# Altium PCB PCB.PcbDoc (part 1 of 3)
Units mil, origin at the board's own origin, x right, y up, seen from the top; angles counter-clockwise.
Board outline 5118.11 x 3622.05 mil, 2 copper layers (Top Layer, Bottom Layer), stack 61.811 mil thick; 308 components, 151 nets, 766 pads, 1310 vias.
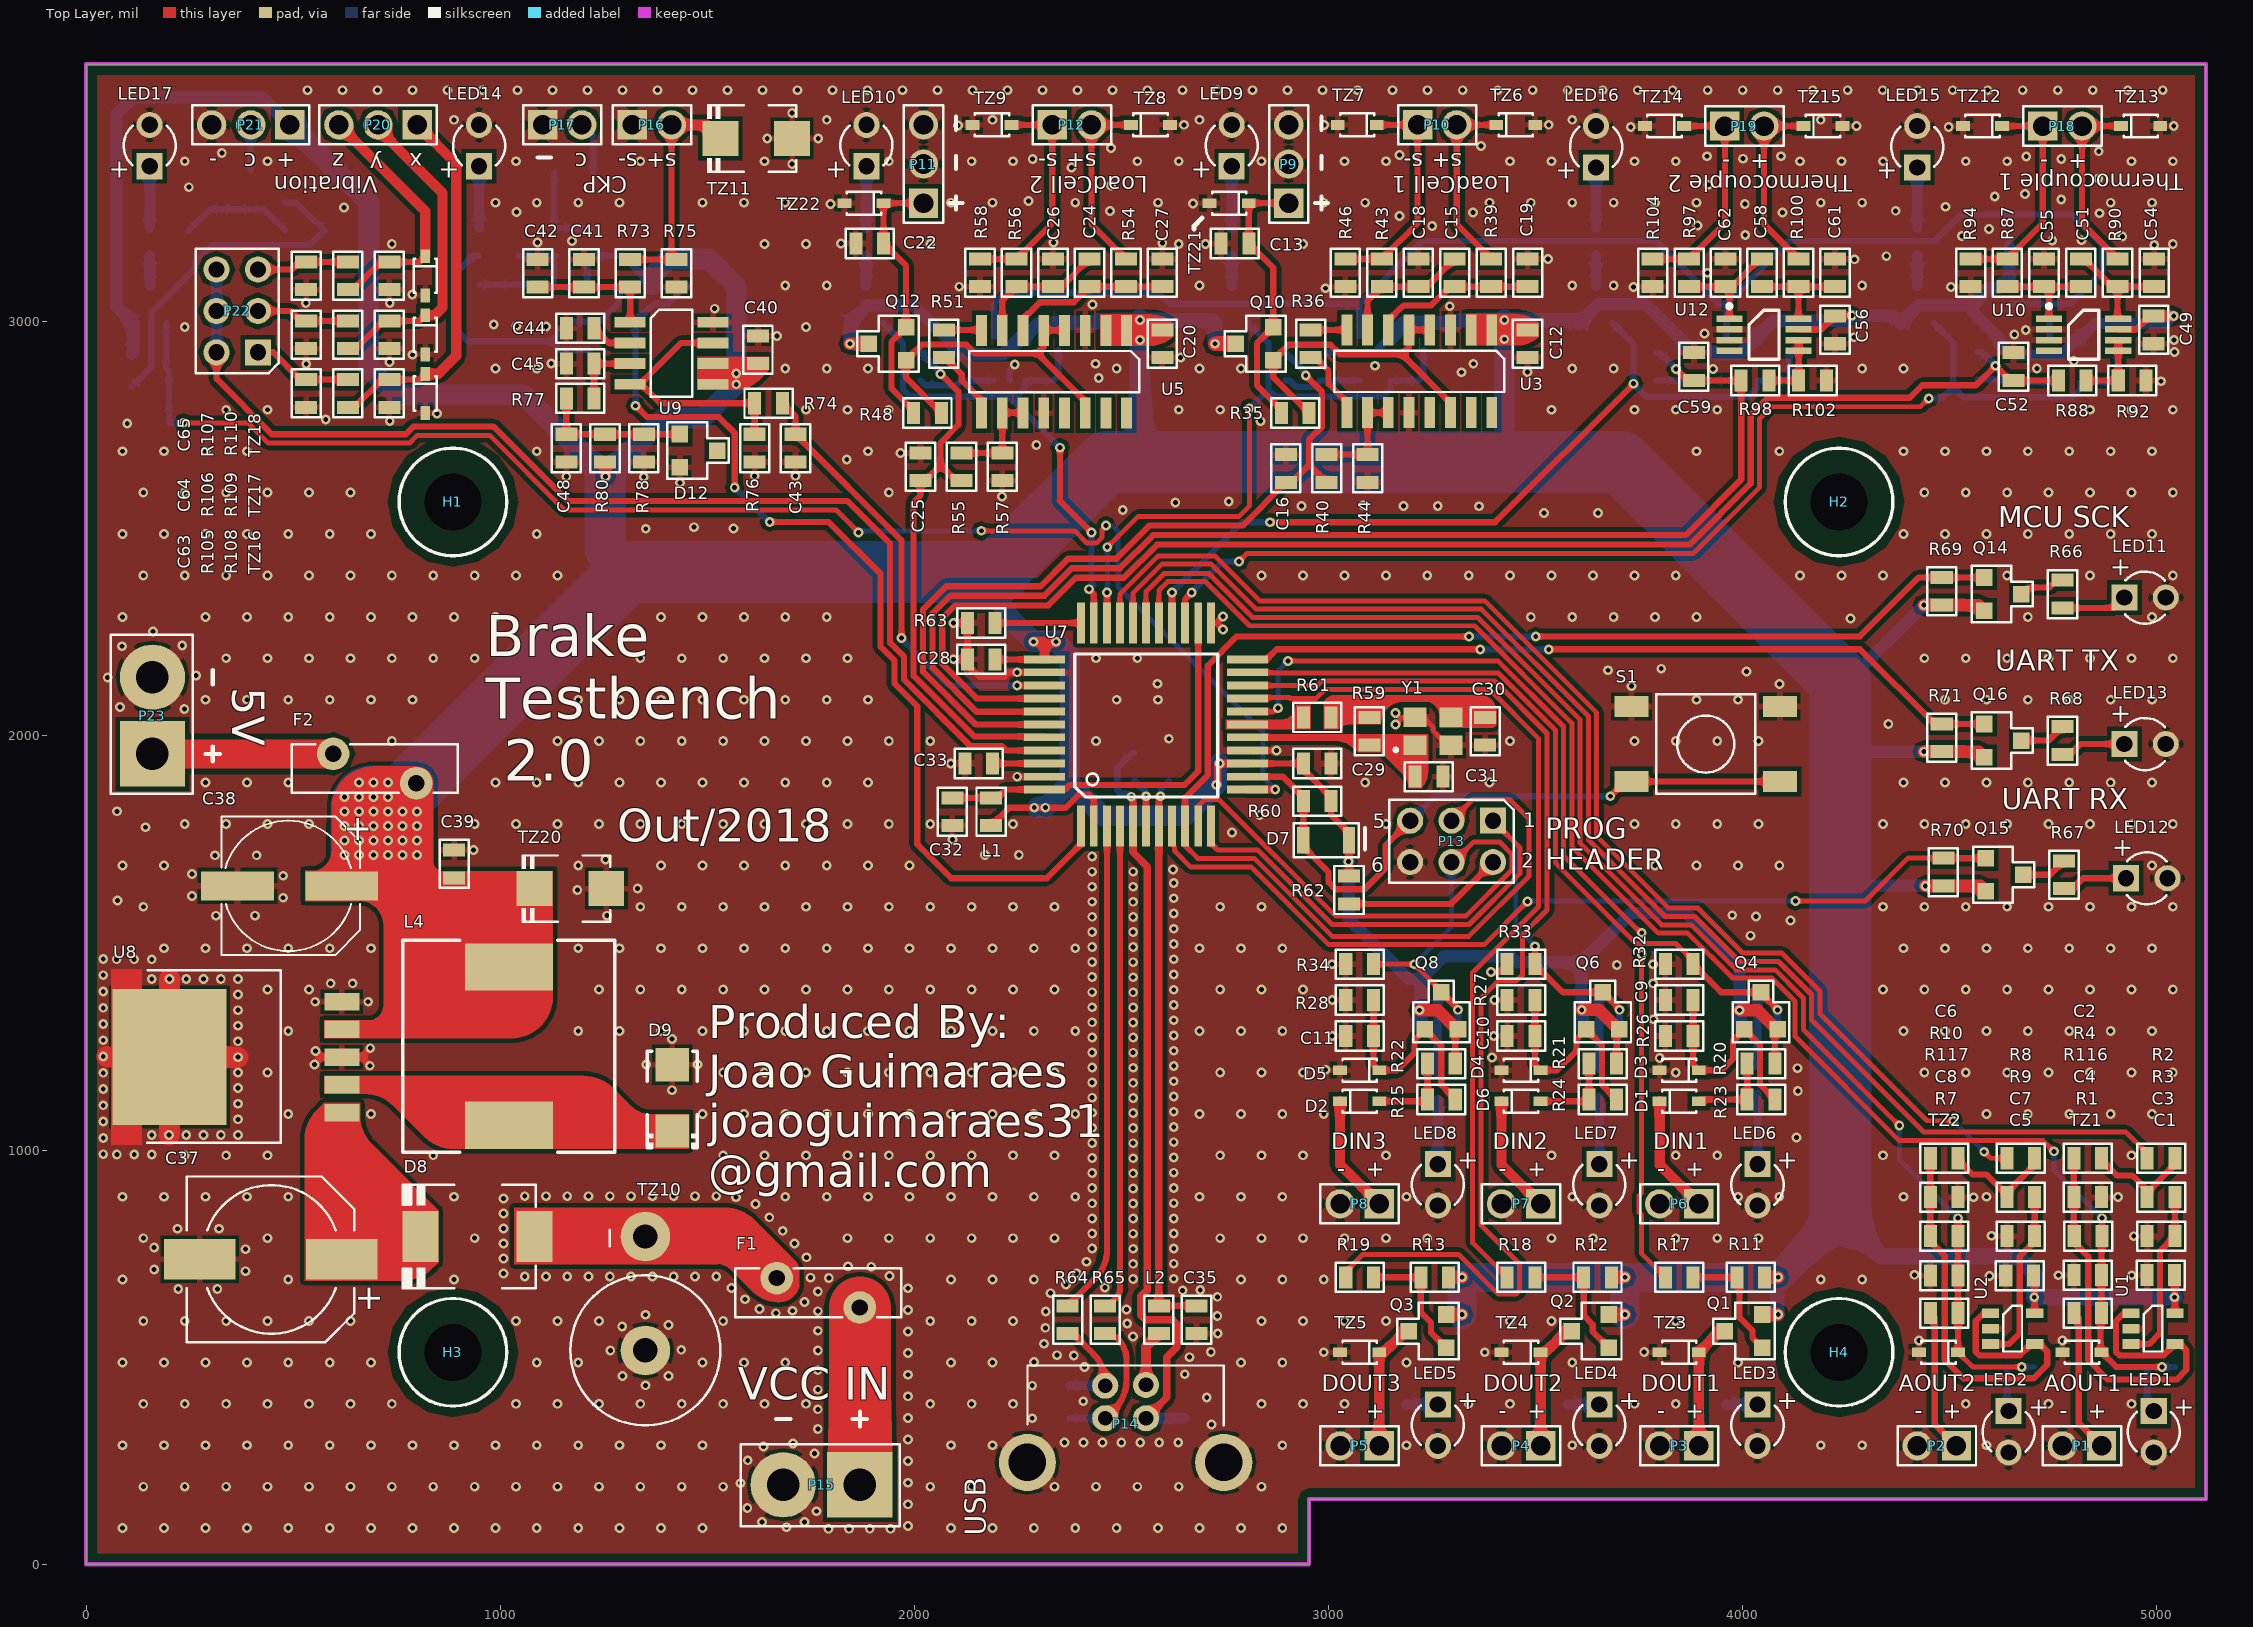
[diagram p0: Top Layer view]
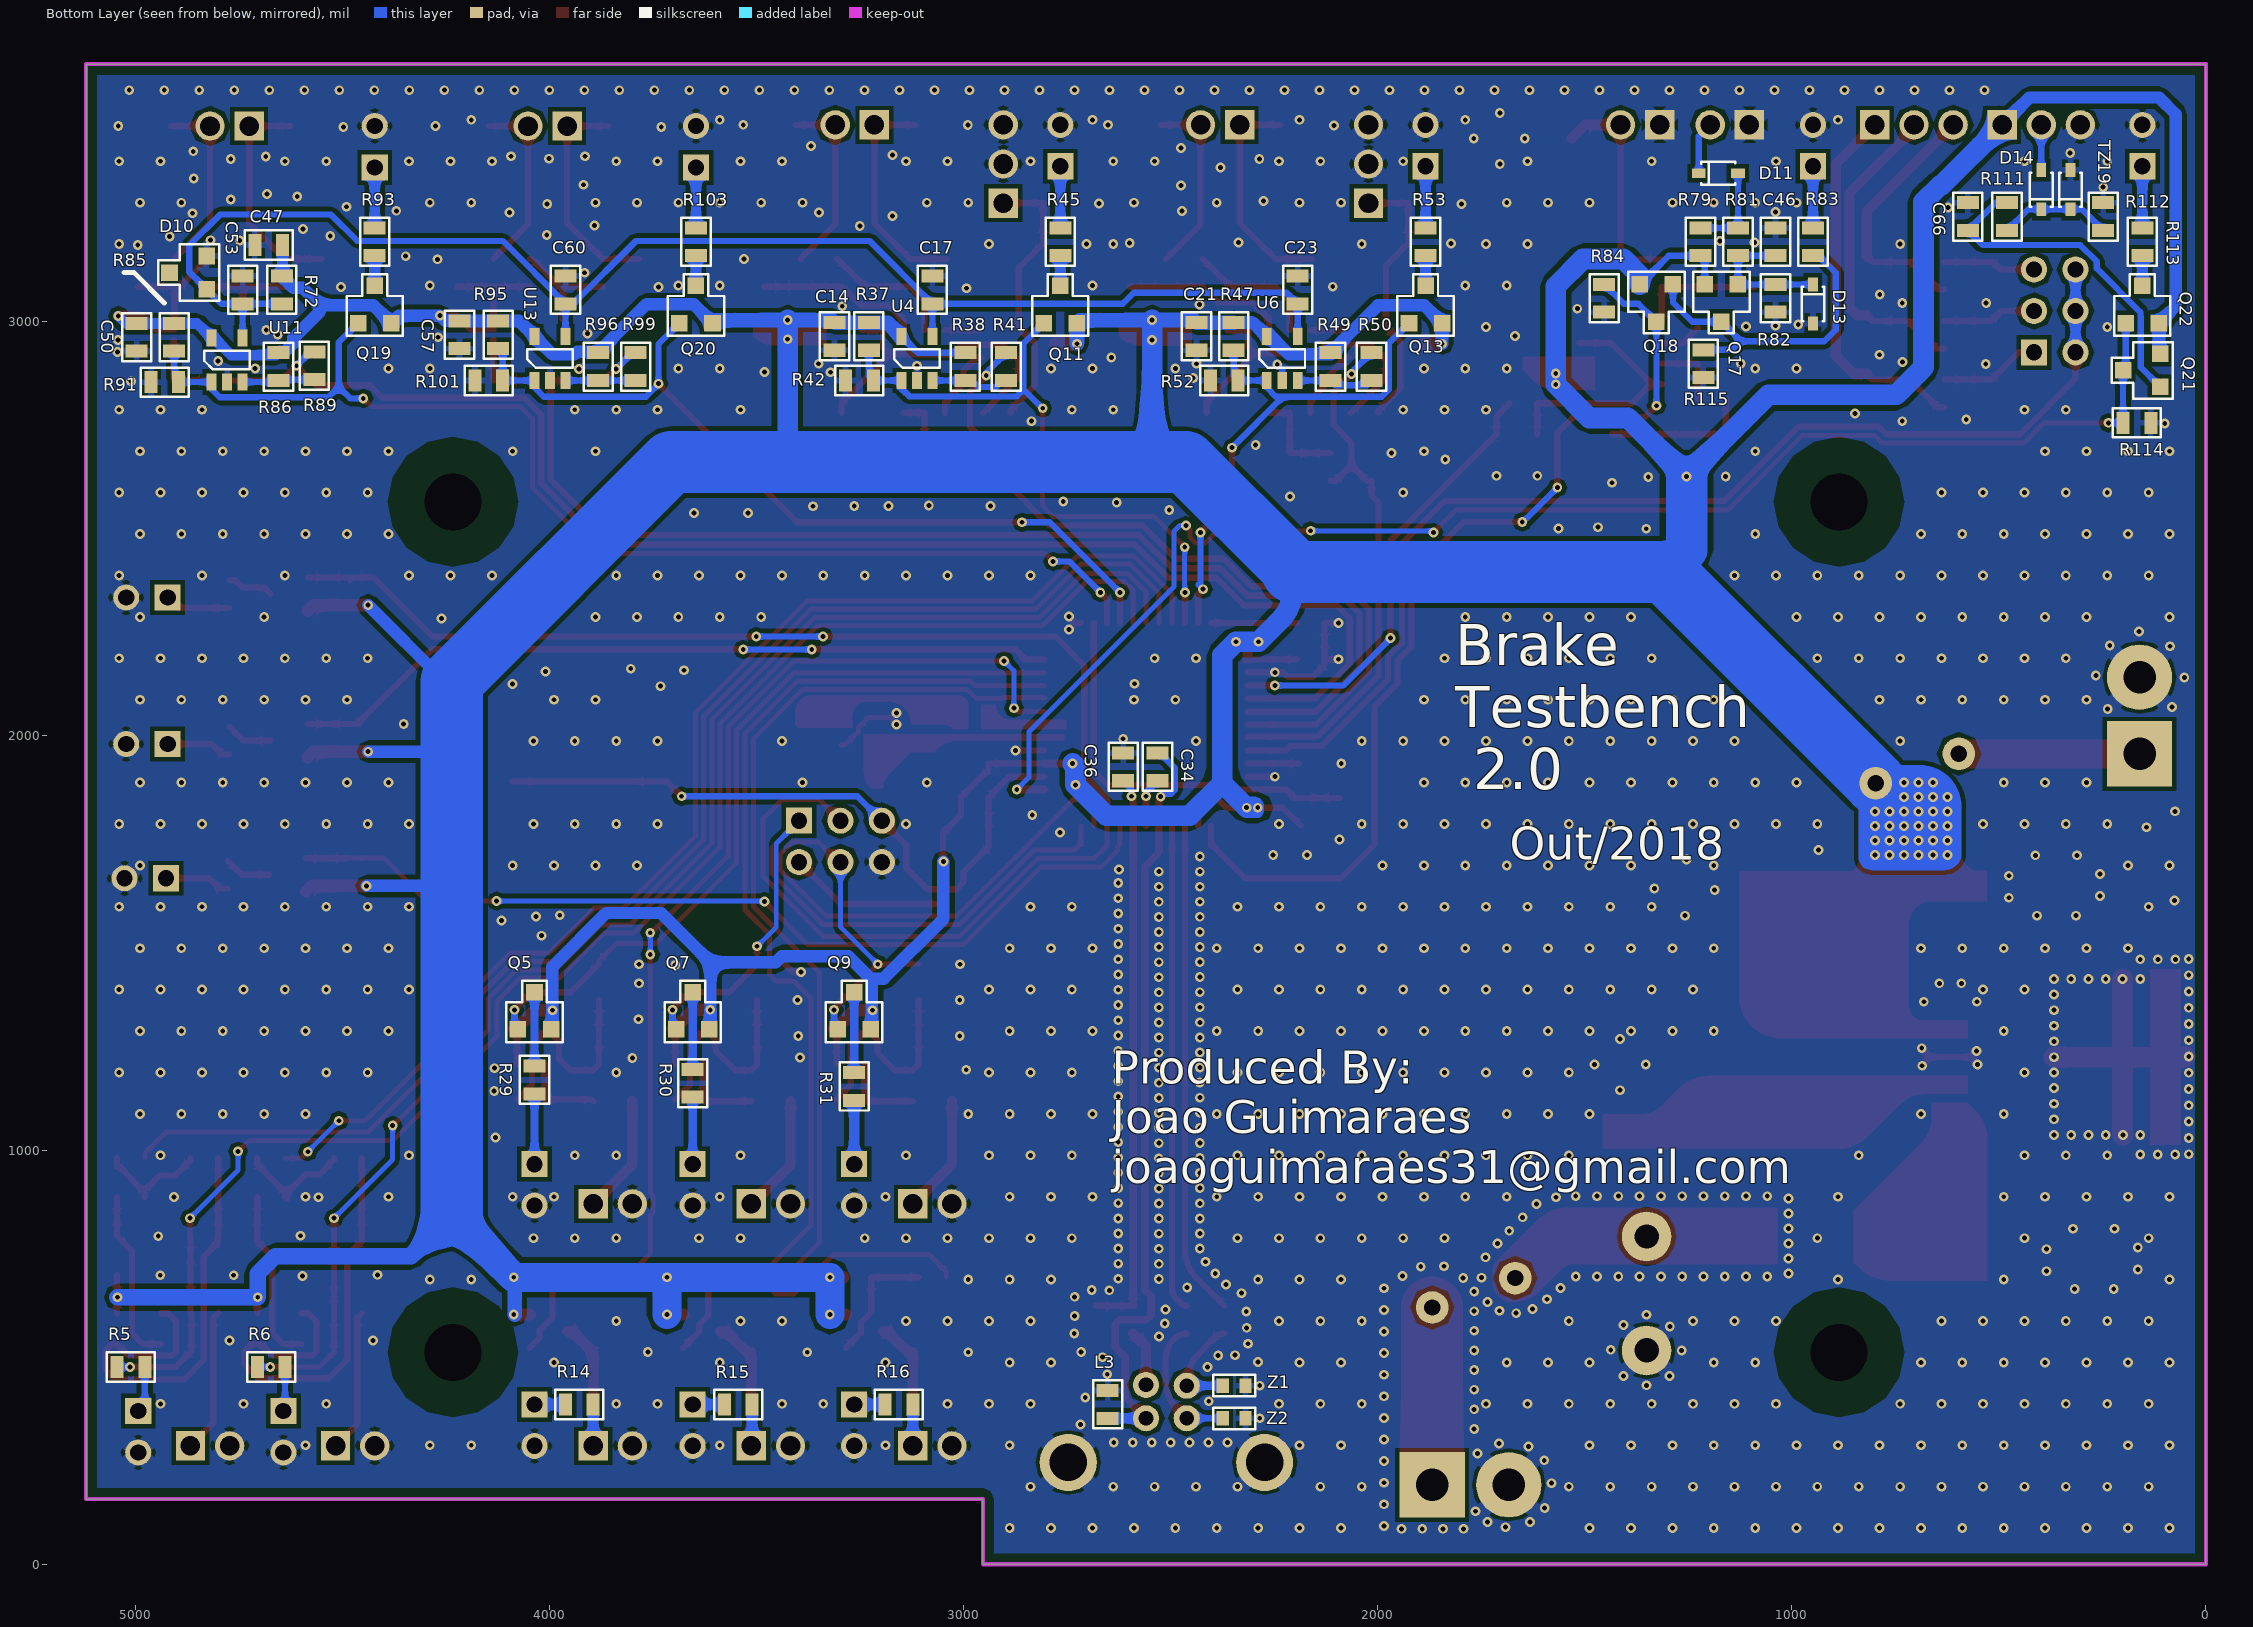
[diagram p1: Bottom Layer view, seen from below]
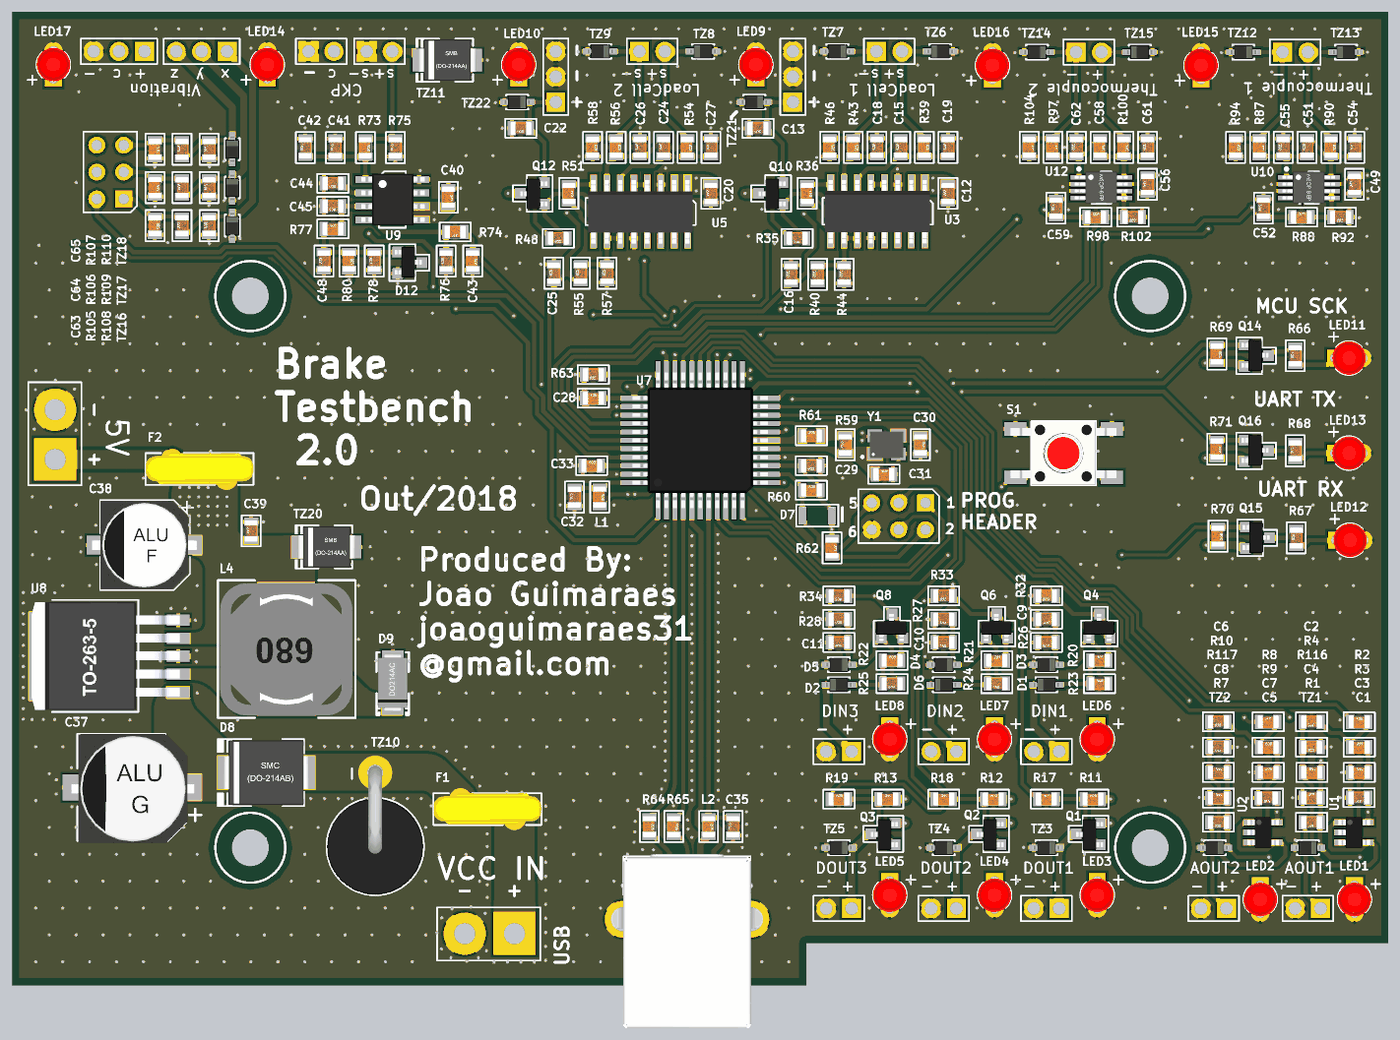
[diagram p4: 3D render of the assembled board from above, using the file's embedded part models]
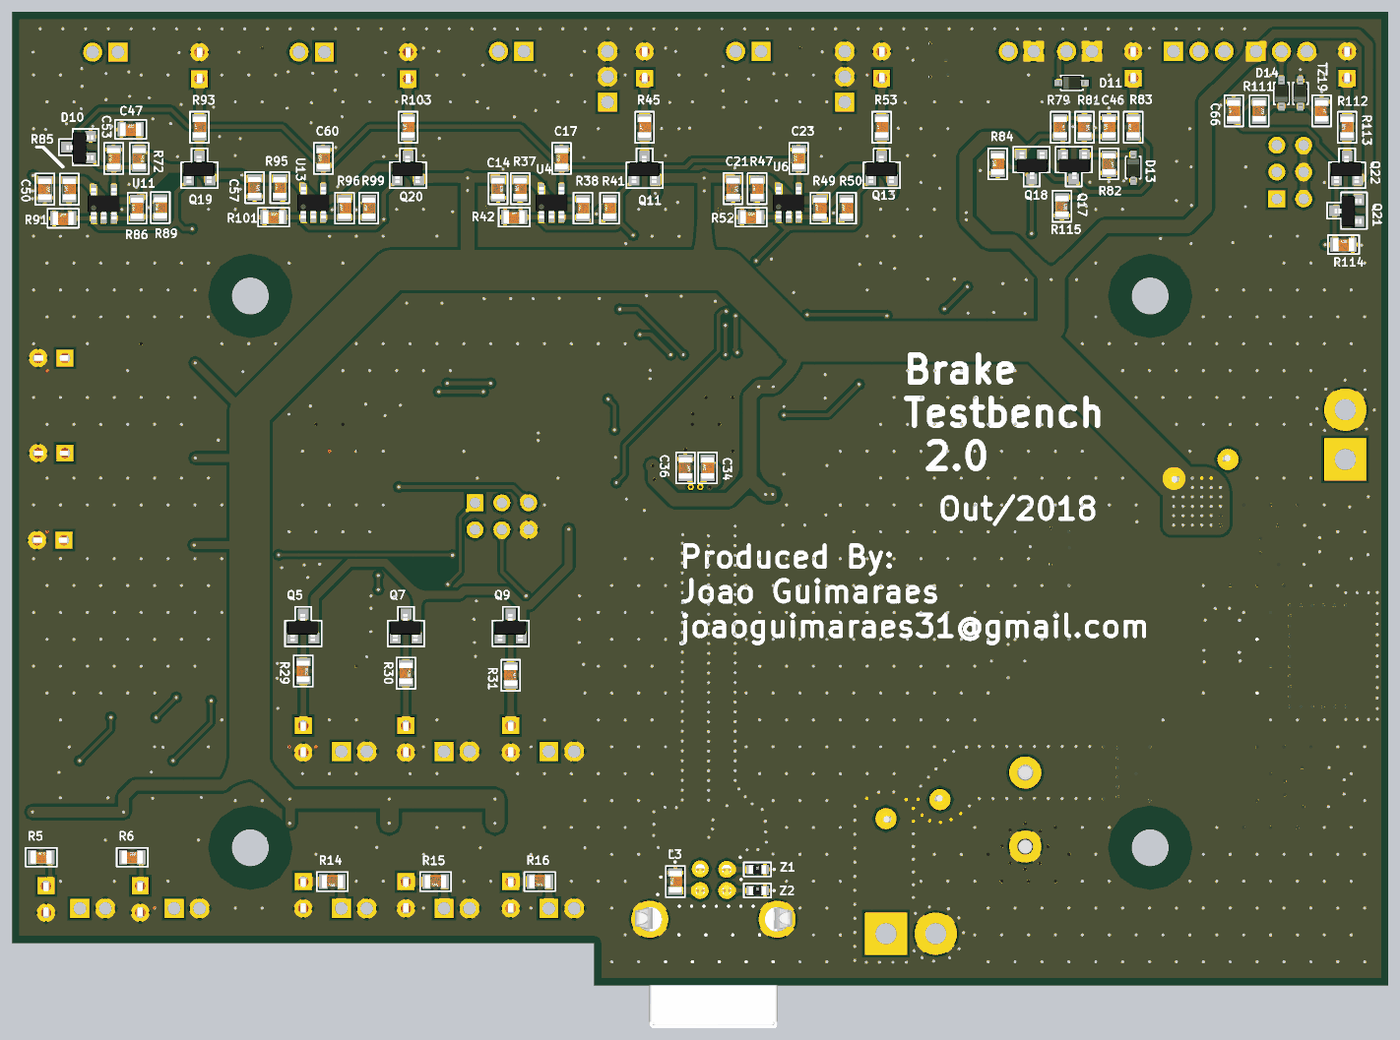
[diagram p5: 3D render of the assembled board from below, using the file's embedded part models]

## Layer stack, top to bottom
Top Solder: solder mask 0.5906, Solder Resist, Dk 4
Top Layer: signal copper 1.378
UT: dielectric 59.0551, FR-4, Dk 4
Bottom Layer: signal copper 1.378
Bottom Solder: solder mask 0.5906, Solder Resist, Dk 4

## Board outline
0,0 0,3622.05 5118.11,3622.05 5118.11,157.48 2952.76,157.48 2952.76,0

## Design rules (kind name [scope] priority, off if disabled: settings)
BoardOutlineClearance [OnLayer('Keep-Out Layer')] p1: gap=20 ignorepadtopadclearanceinfootprint=FALSE
Clearance Clearance_1 [OnLayer('Keep-Out Layer')] p1: gap=20 ignorepadtopadclearanceinfootprint=FALSE
Clearance Polygon [InPoly] p2: gap=10 ignorepadtopadclearanceinfootprint=FALSE
Clearance [All] p3: gap=8 ignorepadtopadclearanceinfootprint=FALSE
DiffPairsRouting [All] p1: maxlimit=8 minlimit=8 mostfreqgap=8 toplayer_minwidth=11 toplayer_maxwidth=11 toplayer_prefwidth=11 bottomlayer_minwidth=11 bottomlayer_maxwidth=11 bottomlayer_prefwidth=11 maxuncoupledlength=500
HoleSize [All] p1: absolutevalues=TRUE maxlimit=300 minlimit=1 maxpercent=80.000 minpercent=20.000
MinimumSolderMaskSliver [All] p1: minsoldermaskwidth=3
PlaneClearance [All] p1: clearance=15
PlaneConnect "Via Power Plane" [IsVia] p1: planeconnectstyle=Direct reliefexpansion=20 reliefentries=4 reliefconductorwidth=10 reliefairgap=10
PlaneConnect "PTH Power Plane" [(IsPad And OnLayer('Multi-Layer'))] p2: planeconnectstyle=Relief reliefexpansion=20 reliefentries=4 reliefconductorwidth=12 reliefairgap=12
PlaneConnect [All] p3: planeconnectstyle=Direct reliefexpansion=25 reliefentries=4 reliefconductorwidth=25 reliefairgap=15
PolygonConnect [All] p1: thpad.connectstyle=Relief thpad.reliefconductorwidth=40 thpad.reliefentries=4 thpad.polygonreliefangle="45 Angle" thpad.airgapwidth=8 smdpad.connectstyle=Relief smdpad.reliefconductorwidth=15 smdpad.reliefentries=4 smdpad.polygonreliefangle="90 Angle" smdpad.airgapwidth=8 via.connectstyle=Direct via.reliefconductorwidth=8 via.reliefentries=4 via.polygonreliefangle="90 Angle" via.airgapwidth=8
RoutingVias [All] p1: holewidth=9.84 width=21.65 viastyle="Through Hole" minholewidth=9.84 minwidth=21.65 maxholewidth=39.37 maxwidth=78.74
SilkToSilkClearance [All] p1: silktosilkclearance=4
SilkToSolderMaskClearance [IsPad] p1: minsilkscreentomaskgap=3 clearancetoexposedcopper=TRUE
SolderMaskExpansion [All] p1: expansion=3
Width [All] p1: maxlimit=200 minlimit=12 preferedwidth=15 minimp=50.000000 maximp=50.000000 favimp=50.000000
23 further rules are at their usual default settings.

## Classes and differential pairs
component class ANALOG: C1 C2 C3 C4 C5 C6 C7 C8 LED1 LED2 P1 P2 R1 R2 R3 R4 R5 R6 R7 R8 R9 R10 R116 R117 TZ1 TZ2 U1 U2
component class DIGITAL: C9 C10 C11 D1 D2 D3 D4 D5 D6 LED3 LED4 LED5 LED6 LED7 LED8 P3 P4 P5 P6 P7 P8 Q1 Q2 Q3 Q4 Q5 Q6 Q7 Q8 Q9 R11 R12 R13 R14 R15 R16 R17 R18 R19 R20 R21 R22 R23 R24 R25 R26 R27 R28 R29 R30 R31 R32 R33 R34 TZ3 TZ4 TZ5
component class "FORCE ACQ": C12 C13 C14 C15 C16 C17 C18 C19 C20 C21 C22 C23 C24 C25 C26 C27 LED9 LED10 P9 P10 P11 P12 Q10 Q11 Q12 Q13 R35 R36 R37 R38 R39 R40 R41 R42 R43 R44 R45 R46 R47 R48 R49 R50 R51 R52 R53 R54 R55 R56 R57 R58 TZ6 TZ7 TZ8 TZ9 TZ21 TZ22 U3 U4 U5 U6
component class MCU: C28 C29 C30 C31 C32 C33 C34 C35 C36 D7 L1 L2 L3 LED11 LED12 LED13 P13 P14 Q14 Q15 Q16 R59 R60 R61 R62 R63 R64 R65 R66 R67 R68 R69 R70 R71 S1 U7 Y1 Z1 Z2
component class "POWER SUPPLIES": C37 C38 C39 D8 D9 D10 F1 F2 L4 P15 P23 R72 TZ20 U8
component class "SPEED ACQ": C40 C41 C42 C43 C44 C45 C46 C47 C48 D11 D12 D13 LED14 P16 P17 Q17 Q18 R73 R74 R75 R76 R77 R78 R79 R80 R81 R82 R83 R84 R115 TZ11 U9
component class "TEMP ACQ": C49 C50 C51 C52 C53 C54 C55 C56 C57 C58 C59 C60 C61 C62 LED15 LED16 P18 P19 Q19 Q20 R85 R86 R87 R88 R89 R90 R91 R92 R93 R94 R95 R96 R97 R98 R99 R100 R101 R102 R103 R104 TZ12 TZ13 TZ14 TZ15 U10 U11 U12 U13
component class "VIBRATION ACQ": C63 C64 C65 C66 D14 LED17 P20 P21 P22 Q21 Q22 R105 R106 R107 R108 R109 R110 R111 R112 R113 R114 TZ16 TZ17 TZ18 TZ19
component class Summary: H1 H2 H3 H4
